# Altium PCB PCB_Template.PcbDoc (part 5 of 6) (continued)
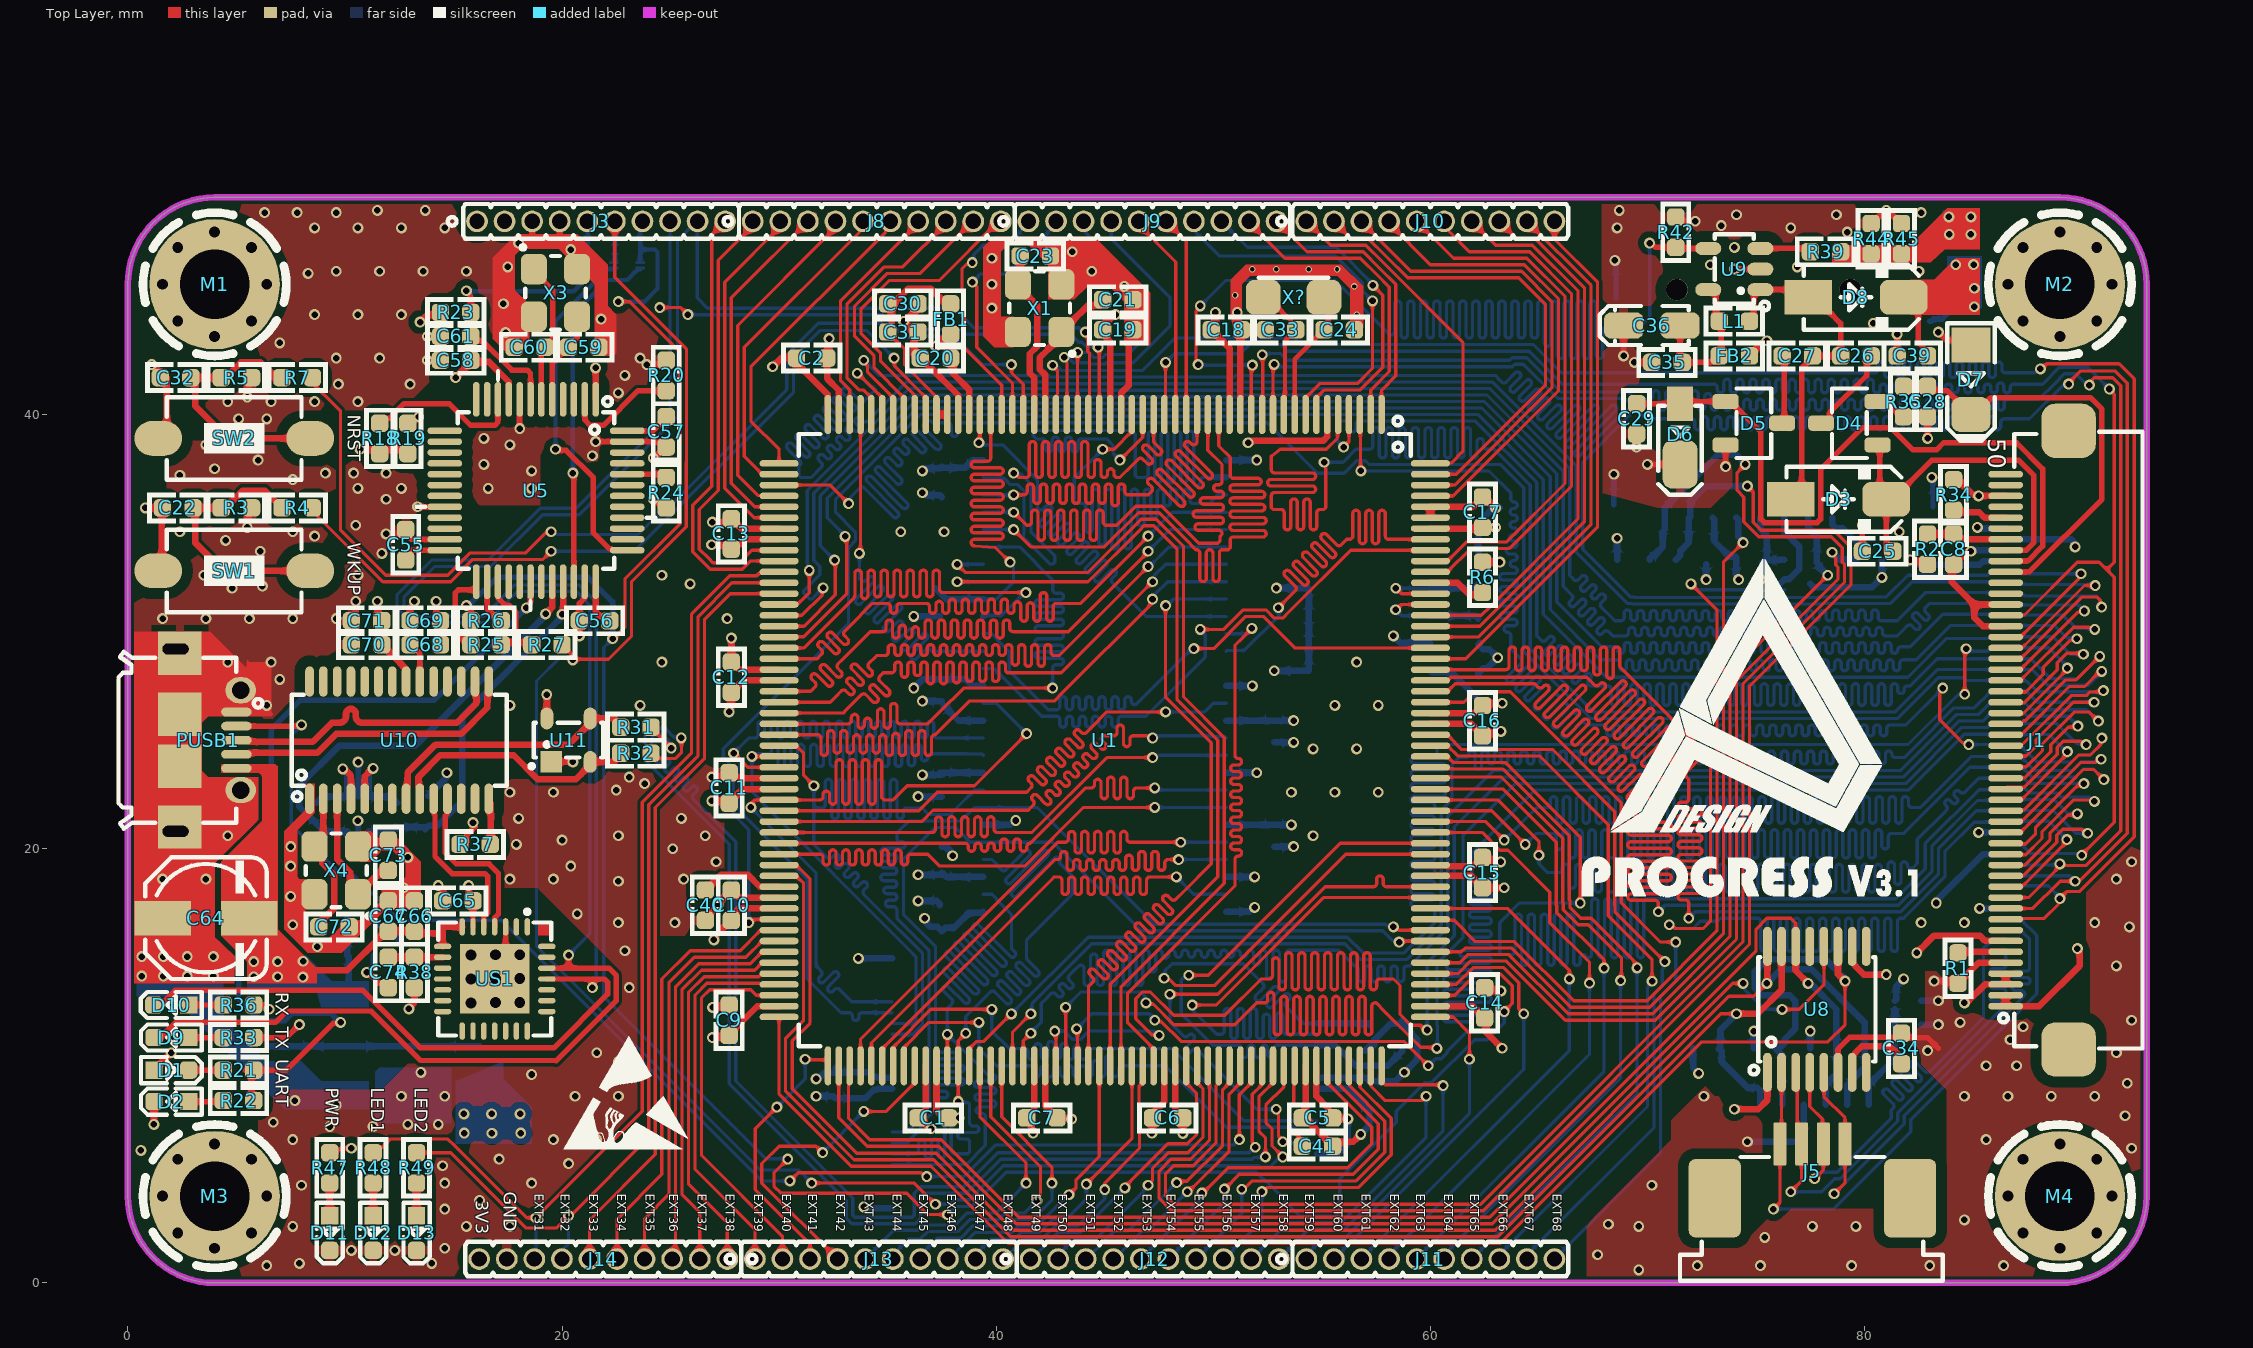
[diagram p0: Top Layer view]
## Nets (pads, with @x,y where several pads share a name; then routed paths per layer and width w, separated by ;. In a path a pad name is that pad's centre, name@x,y a point inside that pad or via, vN(x,y) a via of type N, cw(c..) or ccw(c..) an arc to the next point about the centre after c; other vN are vias at no path point) (continued)
  other v2: 16.768,6.895 15.5,6.9 18.1,6.9 15.481,7.787 16.753,7.787 18.07,7.787
VCC5V: C4.1 C63.1 C64.2 C66.1 C67.1 C68.1 C69.1 FB2.1 J3.2 PUSB1.1 U6.5 U7.3 U10.20 U11.4 US1.7 US1.8 | length 19.3
  Top Layer w0.25: v1(13.2,31.4) 13.2,31.338 13,31.138 C69.1@13,30.5 13,29.459 13.275,29.184 13.275,29.177 13.453,29 U10.20@13.453,27.7
  Top Layer w0.3: v2(8.076,14.814) 8.489,14.4 10.1,14.4 11.681,15.981 11.854,15.981 12.026,16.153 12.026,16.2 C66.1@13.2,16.2 13.3,16.1 14.5,16.1 ; US1.8@14.5,15.5 14.5,16.1 ; US1.7@15.4,16.4 14.5,16.4 14.5,16.1 ; U11.4@19.3,26 v1(19.3,27.1) ; FB2.1@74.7,42.7 75.362,43.362 75.462,43.362 v1(75.5,43.4)
  Bottom Layer w0.25: v1(10.595,21.291) 10.608,21.278 U6.5@10.608,20.8
  Bottom Layer w0.3: C4.1@10.1,16.765 C63.1@10.1,15.1 10.166,15.034 U7.3@10.166,13.574
  Bottom Layer w0.5: J3.2@17.355,48.697 J3.2@17.355,48.9
  other v2: 5.8,14.1 6.9,14.1 8.063,14.089 5.8,14.8 6.9,14.8
VIO: C65.1 R33.2 R36.2 R38.2 US1.6 | length 6.8
  Top Layer w0.25: R33.2@5.6,11.3 7.3,11.3 v1(7.9,11.9) ; R36.2@5.6,12.8 6.24,12.8 ; 6.236,12.804 6.24,12.8 ; v1(6.504,12.604) 6.436,12.604 6.24,12.8 ; v1(12.948,12.62) 12.948,12.63 13.2,12.882 R38.2@13.2,13.8 ; v1(15.7,18.3) 15.7,17.614 15.7,17.6 15.7,17.586 15.9,17.386 US1.6@15.9,16.4
VLED+: C39.1 D8.2 J1.1 J1.2 J2.2 | length 12.3
  Top Layer w0.25: D8.2@81.8,45.7 81.821,45.7 82.475,45.046 82.475,44.823 82.475,43.325 82.671,43.129 82.671,42.784 C39.1@82.7,42.755
  Top Layer w0.3: J1.2@86.5,13.25 J1.1@86.5,12.75 88.05,12.75 89.9,14.6 89.9,15.246 89.8,15.346 v1(89.8,15.4)
  Bottom Layer w0.3: J2.2@86.5,34.25 89.524,34.25 89.7,34.074 v1(89.7,33.9)
  other v2: 85.051,44.964 85.055,45.815 84.2,46.9 85.025,46.904
VLED-: J1.3 J1.4 J2.1 R39.1 R44.1 R45.1 | length 4.1
  Top Layer w0.3: v1(84.6,12.9) 84.7,12.9 85.55,13.75 J1.3@86.5,13.75 J1.4@86.5,14.25
  Bottom Layer w0.3: v1(85.2,34.8) 85.25,34.75 J2.1@86.5,34.75
  other v2: 83.9,48.3 84.9,48.3 83.881,49.106 84.9,49.1
WKUP: R4.2 U1.43 | length 37.8
  Top Layer w0.15: R4.2@8.5,35.7 8.748,35.452 8.748,35.302 11.75,32.3 14.87,32.3 15.895,33.325 19.125,33.325 v1(19.5,33.7) ; v1(35.3,42.6) 35.311,42.589 35.311,42.239 36.675,40.875 36.675,40.866 36.75,40.791 U1.43@36.75,40
  Bottom Layer w0.15: v1(19.5,33.7) 23.328,33.7 30.664,41.036 30.664,42.636 31.903,43.875 34.025,43.875 v1(35.3,42.6)
pads on no net: J1. J1.8 J1.39 J1.40 J1.45 J1.47 J1.49 J1.50 J2. J2.35 J4. J5. J6. J6.9 M1.1 M2.1 M3.1 M4.1 U2.40 U3.1 U3.2 U3.3 U3.4 U3.5 U3.6 U3.10 U3.11 U3.14 U3.15 U3.20 U3.21 U3.22 U3.23 U3.24 U3.26 U3.27 U3.28 U3.33 U3.34 U3.35 U3.38 U3.39 U3.40 U3.45 U3.46 U3.47 U5.3 U5.4 U5.11 U5.12 U5.13 U5.14 U5.15 U5.16 U5.17 U5.18 U5.19 U5.21 U5.22 U5.28 U5.29 U5.31 U5.38 U5.39 U5.40 U5.41 U5.42 U5.43 U5.45 U5.46 U8.8 U8.9 U8.13 U10.6 U10.7 U10.12 U10.13 U10.17 U10.18 U10.19 U10.22 U10.23 U10.24 U10.25 U10.26 U10.27 U10.28 US1.1 US1.2 US1.10 US1.11 US1.12 US1.13 US1.14 US1.15 US1.16 US1.17 US1.18 US1.19 US1.20 US1.21 US1.22 US1.23 US1.24 US1.27 US1.28
copper on no net:
  other v3: 4,1.6 89,1.6 2.303,2.303 5.697,2.303 87.303,2.303 90.697,2.303 1.6,4 6.4,4 86.6,4 91.4,4 2.303,5.697 5.697,5.697 87.303,5.697 90.697,5.697 4,6.4 89,6.4 4,43.6 89,43.6 2.303,44.303 5.697,44.303 87.303,44.303 90.697,44.303 1.6,46 6.4,46 86.6,46 91.4,46 2.303,47.697 5.697,47.697 87.303,47.697 90.697,47.697 4,48.4 89,48.4

## Polygon pours and split planes (outlines as drawn)
GND on Bottom Layer "NONET_L-01_P-001" (solid, remove dead copper, pour order 1): 93,50.1 0.2,50.1 0.1,50.2 -0.1,50 -0.1,-0.4 93.2,-0.4 93.3,-0.3
GND on Top Layer "NONET_L-01_P-001" (solid, remove dead copper, pour order 0): 0.1,50 0.2,50.1 93.1,50.1 93.1,0 93.2,-0.1 92.9,-0.4 -0.4,-0.4
VCC3V3 on Int2 (PWR) (split plane): 232 vertices, not listed, extent 0.509,0.509 92.491,49.491
VIO on Int2 (PWR) (split plane): 15.449,20.7 15.454,20.661 15.469,20.624 15.493,20.593 16.249,19.837 16.249,15.163 12.137,11.051 6.063,11.051 5.451,11.663 5.451,12.7 5.451,12.949 9.6,12.949 9.639,12.954 9.676,12.969 9.707,12.993 9.731,13.024 9.746,13.061 9.751,13.1 9.751,14.5 9.751,19.337 11.963,21.549 15.449,21.549
VLED- on Int2 (PWR) (split plane): 87.749,47.963 87.437,47.651 83.7,47.651 83.661,47.646 83.624,47.631 83.593,47.607 83.569,47.576 83.554,47.539 83.549,47.5 83.549,42 83.554,41.961 83.569,41.924 83.593,41.893 87.249,38.237 87.249,13.063 86.037,11.851 84.563,11.851 83.851,12.563 83.851,16.537 84.307,16.993 84.331,17.024 84.346,17.061 84.351,17.1 84.351,34.8 84.346,34.839 84.331,34.876 84.307,34.907 81.651,37.563 81.651,49.49 87.749,49.49
VCC5V on Int2 (PWR) (split plane): 76.149,42.063 75.737,41.651 72.263,41.651 69.307,44.607 69.276,44.631 69.239,44.646 69.2,44.651 54.563,44.651 53.607,45.607 53.576,45.631 53.539,45.646 53.5,45.651 45,45.651 44.961,45.646 44.924,45.631 44.893,45.607 43.337,44.051 22.263,44.051 20.907,45.407 20.876,45.431 20.839,45.446 20.8,45.451 14,45.451 13.961,45.446 13.939,45.437 13.924,45.431 13.893,45.407 10.093,41.607 10.069,41.576 10.054,41.539 10.049,41.5 10.049,30.4 10.054,30.361 10.069,30.324 10.093,30.293 10.124,30.269 10.161,30.254 10.2,30.249 12.8,30.249 12.839,30.254 12.876,30.269 12.907,30.293 12.931,30.324 12.946,30.361 12.951,30.4 12.951,31.737 13.463,32.249 15.437,32.249 17.393,30.293 19.849,27.837 19.849,26.251 15.8,26.251 15.761,26.246 15.739,26.237 15.724,26.231 15.693,26.207 13.593,24.107 13.569,24.076 13.554,24.039 13.549,24 13.549,21.851 11.9,21.851 11.861,21.846 11.824,21.831 11.793,21.807 9.493,19.507 9.469,19.476 9.454,19.439 9.449,19.4 9.449,14.5 9.449,13.251 5.451,13.251 5.451,41.737 11.163,47.449 15.9,47.449 15.939,47.454 15.976,47.469 16.007,47.493 16.807,48.293 16.831,48.324 16.846,48.361 16.851,48.4 16.851,49.49 18.6,49.49 18.6,48.3 66.4,48.3 66.4,49.49 76.149,49.49
VLED+ on Int2 (PWR) (split plane): 89.249,49.483 89.497,49.456 89.742,49.412 89.984,49.35 90.22,49.272 90.45,49.176 90.673,49.065 90.888,48.937 91.092,48.795 91.287,48.639 91.469,48.469 91.639,48.287 91.795,48.092 91.937,47.888 92.065,47.673 92.176,47.45 92.272,47.22 92.35,46.984 92.412,46.742 92.456,46.497 92.483,46.249 92.491,46.016 92.49,46 92.49,13.151 87.551,13.151 87.551,38.3 87.546,38.339 87.537,38.361 87.531,38.376 87.507,38.407 83.851,42.063 83.851,47.349 87.5,47.349 87.539,47.354 87.576,47.369 87.607,47.393 88.007,47.793 88.031,47.824 88.046,47.861 88.051,47.9 88.051,49.49 89,49.49 89.016,49.491
GND on Int1 (GND) (split plane): 89.249,49.483 89.497,49.456 89.742,49.412 89.984,49.35 90.22,49.272 90.45,49.176 90.673,49.065 90.888,48.937 91.092,48.795 91.287,48.639 91.469,48.469 91.639,48.287 91.795,48.092 91.937,47.888 92.065,47.673 92.176,47.45 92.272,47.22 92.35,46.984 92.412,46.742 92.456,46.497 92.483,46.249 92.491,46.016 92.49,46 92.49,4 92.491,3.984 92.483,3.751 92.456,3.503 92.412,3.258 92.35,3.016 92.272,2.78 92.176,2.55 92.065,2.327 91.937,2.112 91.795,1.908 91.639,1.713 91.469,1.531 91.287,1.361 91.092,1.205 90.888,1.063 90.673,0.935 90.45,0.824 90.22,0.728 89.984,0.65 89.742,0.588 89.497,0.544 89.249,0.517 89.016,0.509 89,0.51 66.4,0.51 66.4,1.8 18.7,1.8 18.8,1.7 18.8,0.51 4,0.51 3.984,0.509 3.751,0.517 3.503,0.544 3.258,0.588 3.016,0.65 2.78,0.728 2.55,0.824 2.327,0.935 2.112,1.063 1.908,1.205 1.713,1.361 1.531,1.531 1.361,1.713 1.205,1.908 1.063,2.112 0.935,2.327 0.824,2.55 0.728,2.78 0.65,3.016 0.588,3.258 0.544,3.503 0.517,3.751 0.509,3.984 0.51,4 0.51,46 0.509,46.016 0.517,46.249 0.544,46.497 0.588,46.742 0.65,46.984 0.728,47.22 0.824,47.45 0.935,47.673 1.063,47.888 1.205,48.092 1.361,48.287 1.531,48.469 1.713,48.639 1.908,48.795 2.112,48.937 2.327,49.065 2.55,49.176 2.78,49.272 3.016,49.35 3.258,49.412 3.503,49.456 3.751,49.483 3.984,49.491 4,49.49 16.085,49.49 16.085,48.9 17.355,48.9 17.4,48.945 17.4,49.49 21.2,49.49 21.2,48.935 21.165,48.9 21.765,48.3 66.4,48.3 66.4,49.49 89,49.49 89.016,49.491

## Keep-outs
Keep-Out Layer:
  the board outline again, w0.3

## Other copper
Top Layer:
  region net GND: 18.2,43.1 18.5,43.4 18.5,45.1 18.46,45.1 17.834,45.726 17.834,47.346 18.129,47.641 19.859,47.641 21.5,46 21.5,43.5 21.5,42.7 22.366,42.7 22.5,42.834 22.5,44.6 22.1,45 22.1,46.9 20.7,48.3 17.887,48.3 16.813,47.226 16.813,43.487 17.6,42.7
  region net GND: 51.3,44.58 51.3,46 51.7,46.4 55.7,46.4 56.3,45.8 56.3,44.2 56.5,44 56.9,44 56.9,45.9 55.9,46.9 51.5,46.9 50.8,46.2 50.8,44.58 50.9,44.1
  pour cut-out: 65.6,44.3 65.6,39 67.4,37.2 67.4,35.3 63.6,31.5 62.85,32.25 60,32.25 60,32.325 58.075,34.25 57.364,33.539 54.874,33.539 54.874,35.25 54.164,35.96 55.25,37.045 55.25,42.55 55,42.8
  pour cut-out: 67.942,49.863 67.9,49.821 67.9,46.129 65.6,48.429 65.6,49.9
  pour cut-out: 59.5,30.9 59.2,30.6 59.2,18.6 55.2,18.6 51.3,14.7 48.2,17.8 48.2,29.7 48.9,30.4
  pour cut-out: 51.229,18.642 51.229,17.2 50.4,17.2 50.3,17.3
  region net GND: 5.9,26.1 5.9,27.9 3.8,30 0.3,30 0.3,29.8 0.3,15.2 4,15.2 4,19.329 6,21.329 6,23.3 3.7,23.3 3.4,23.6 3.4,25.8 3.7,26.1
  region net GND: 5.2,26.1 6.6,26.1 6.7,26.2 6.6,26.3 6.6,28.6 5.6,28.6 5.5,28.7
  pour cut-out: 7.691,27.017 6.6,25.927 6.6,25.8 8.5,25.8 9,26.3
  region net GND: 40.8,43.1 39.9,43.1 39.4,43.6 39.4,47.7 39.9,48.2 44.511,48.2 47.1,45.611 47.1,43.19 45.908,43.19 45.908,45.206 45.22,45.894 44.194,45.894 43.6,45.3 42.4,45.3 42.4,46.896 41.434,47.862 40.562,47.862 40.2,47.5 40.2,44.5 40.8,44.5
  pour cut-out: 49.5,50.5 49.5,41.7 48.1,40.3 41,40.3 38.4,42.9 38.945,43.445 38.945,48.9
  pour cut-out: 90.2,16.7 90.2,18.4 88.8,18.4 88.6,18.2 88.603,18.197 88.603,17.119
  pour cut-out: 83.734,14.367 82.467,14.367 82.4,14.3 82.4,15.2 84.216,15.2
  pour cut-out: 13.044,6.629 12.974,6.7 8.4,6.7 8.4,1.891 8.59,1.7
  region net VLED+: 82.1,44.6 85.3,44.6 85.3,46.2 82.1,46.2
  region net GND: 7.8,20.8 7.8,18.7 7.9,18.6 8.184,18.6 8.184,16 8.373,15.771 9.173,15.773 9.8,16.4 9.8,16.7 10.773,16.7 11.7,17.627 11.7,18.1 12.2,18.1 12.8,18.7 12.8,19.3 12.2,19.9 12,19.9 12,20.5 12.4,20.5 13.5,19.4 13.5,17.456 13.244,17.2 11.848,17.2 9.848,15.2 8.282,15.2 7.2,16.282 7.2,20.8
  pour cut-out: 85.9,45.5 86.2,45.2 86.2,41.7 80.7,41.7 80.4,41.4 78.4,43.4 77.2,43.4 77.2,45.21 77.69,45.7
  pour cut-out: 85.6,37.7 85.6,35.8 84,35.8 83,34.8 82.7,35.1 82.3,35.1 82.3,37.5 82.8,38
  pour cut-out: 5.5,13.8 5.4,13.9 0.1,13.9 0.1,12.6 0,12.5 6.7,12.5
  pour cut-out: 15.4,10.1 12.9,10.1 11.7,8.9 6,8.9 6,6.5 5.4,7.1 3.9,7.1 3.9,9.8 7.2,13.1 12.6,13.1
  pour cut-out: 27,16 23.9,16 23.9,14 24.1,13.8
  pour cut-out: 27.48,21.617 27.48,18.62 27.85,18.25 29.193,18.25 29.193,20.943 30,21.75
  pour cut-out: 19.001,38.111 19,38.109 19,35.8 20.4,35.8 20.55,35.65 20.55,37.182
  pour cut-out: 22.3,45.6 22.3,46.058 20.204,48.155 20.6,48.551 20.6,48.6 23,48.6 24,47.6
  pour cut-out: 11,17.3 12.1,16.2 12.1,15.3 10.5,13.7 8.2,13.7 6.6,15.3 8.4,17.1 8.8,17.1
  pour cut-out: 7.902,21.605 7.105,21.605 6.8,21.3 6.8,24.5 9.4,24.5 9.5,24.6
  pour cut-out: 9.8,40.15 9.856,40.206 12.606,40.206 14.426,42.026 14.851,41.6 16,41.6 16,39.4 15.2,38.6 9.9,38.6
  pour cut-out: 15.4,35.8 15.425,35.825 21.446,35.825 21.446,34.846 18.9,32.3 15.9,32.3 15,33.2
  pour cut-out: 4.6,38.9 4.5,38.8 1.8,38.8 1.8,36.2 2,36 1.3,35.3 -0.4,35.3 -0.4,37.5 -0.8,37.9 1.3,40 1.3,40.4 2.9,40.4 3.1,40.6
  pour cut-out: 17,18.2 18.85,18.2 22.698,14.352 22.146,13.8 19.325,13.8 16.425,16.7
  pour cut-out: 12.674,20.326 12.974,20.326 15.2,18.1 15.8,18.7 15.8,19.4 15.6,19.4 13.3,21.7 13.2,21.6 11.6,21.6
  pour cut-out: 14.4,25.5 13.385,24.485 13.385,23.097 10.703,23.097 9.17,24.63 9.17,25.37 9.6,25.8
  pour cut-out: 18.876,23.2 16,23.2 15.9,23.1 15.2,23.8 15.2,24.1 17.4,24.1 17.9,24.6
  pour cut-out: 27.8,24 27.7,23.9 26.3,23.9 26.3,24.6 26.5,24.8 27.4,24.8
  pour cut-out: 28.2,34.5 27.6,33.9 27.6,25.4 20.9,25.4 20.2,24.7 14.8,24.7 14.2,25.3 16.1,27.2 16.1,29.7 19.5,29.7 24.5,34.7
  pour cut-out: 53.6,46.9 53.326,46.626 53.326,43.326 49.574,43.326 48.7,44.2 48.7,47.6
  pour cut-out: 44.157,47.9 46.728,46.983 47,47.255 47,48.4 44.525,48.4 44.025,48.9
  pour cut-out: 40.307,39.9 41.682,38.525 41.682,29.45 35.157,29.45 32.682,31.925 32.682,38.425 29.207,41.9 30.407,43.1 30.407,47 35.1,47 39.707,42.393 39.707,36.7
  pour cut-out: 29.6,32.1 29.6,27.7 29.4,27.5 29.351,27.549 25.9,27.549 25.9,30.1 28.1,32.3
  pour cut-out: 27.8,24 27.451,24.349 25.9,24.349 25.9,26.1 26.5,26.7 29.7,26.7
  pour cut-out: 44.6,22.4 46,21 46,4 42,4 38.2,0.2 37.1,1.3 27.2,1.3 27.2,15.1 32,19.9
  pour cut-out: 50.5,18.1 52.6,16 53.1,16 53.1,15.1 51.5,13.5 47.5,13.5 47.5,15.1 47.4,15.2
  pour cut-out: 55.687,20.412 56.562,20.412 58.65,22.5 59.1,22.05 59.1,19.8 57.7,19.8 56.4,18.5
  pour cut-out: 53.75,29.02 50.5,27.6 50.5,29.6 51.9,29.6 53.1,30.8
  pour cut-out: 52.8,30.2 53.9,29.1 59,29.1 59,34.4 59.4,34.8 59.3,34.9 55.2,34.9
  pour cut-out: 67.5,36.5 71.2,35.5 71.2,35.2 70.3,34.3 69.5,35.1 65.7,35.1
  pour cut-out: 74.125,36.914 72.3,35.089 72.3,34.9 75.2,34.9 75.5,35.2
  pour cut-out: 70.3,13.1 70.3,10.7 70.9,10.1 64.6,3.8 55.5,3.8 60.3,8.6 60.3,12.8
  pour cut-out: 67.2,2.6 67.2,2.7 71.1,6.6 71.1,7.6
  pour cut-out: 67.2,0.2 67.2,1.029 67.2,3.6 72.8,9.2 71.9,10.1 71.2,10.1 63.5,2.4 63.5,1.6
  pour cut-out: 73.539,8.6 73.1,8.6 71.6,10.1 73,11.5 75.8,11.5 76.7,10.6 76.175,10.075 76.175,8.088
  pour cut-out: 82.506,10.15 83.779,8.877 83.779,5.179 82.006,3.406 76.606,3.406 76.1,2.9 75.488,2.9 74.779,2.191 73.9,3.07 73.9,3.8 79.425,9.325 79.425,9.7
  pour cut-out: 75.7,6 73.8,6 73.9,5.9 73.9,4 74.9,3 75.201,3.301 76.55,3.301 76.55,4.45 77.4,5.3
  pour cut-out: 89.4,17.5 90.2,16.7 90.2,15.6 90.4,15.4 90.4,12.1 90.2,12.3 88.1,12.3 87,13.4 87.2,13.6 87.2,16.6
  pour cut-out: 84.2,14.8 82.7,14.8 82.6,14.7 82.6,16.6 85.2,16.6 85.4,16.4
  pour cut-out: 82.8,14.9 82.8,12 82.7,11.9 81.7,11.9 81.7,11.4 80.537,10.238 78.775,10.238 78.775,11.325 77.9,12.2 78.938,13.238 78.938,14.063
  pour cut-out: 86.3,34.4 86.3,16 86.8,15.5 82.7,15.5 82.7,15.4 81.5,14.2 80.1,15.6 73,15.6 73,30.9 77.4,35.3 78.7,35.3
  pour cut-out: 75,36 74.7,35.7 63.2,35.7 63.2,28.45 67.65,24 74,24
  pour cut-out: 66.8,20.8 66.8,14.339 67.178,13.961 62.439,13.961 59,17.4
  pour cut-out: 54.464,34.839 54.662,34.642 54.662,33.327 54.227,33.327 50.7,29.8 47.4,29.8 47.4,31.5 46.8,32.1 48.5,33.8 48.5,35.3
  pour cut-out: 88.4,43.7 88,43.3 88,40.5 86.084,40.5 85.6,40.984 85.6,44.1
  region net VLED-: 78.5,47 83.055,47.006 83.685,47.606 85.3,47.606 85.3,49.5 83.8,49.5 82.1,47.8 78.5,47.8
  region net VLED+: 85.3,46.2 85.3,47.2 84.2,47.2 83.2,46.2
  region net GND: 7.8,20.8 7.8,20.861 8.6,21.661 8.6,23 8.18,23 8.171,22.991 8.171,21.771 7.2,20.8
  region net GND: 10.7,19.4 11.2,19.4 11.7,19.9 12,19.9 12,20.5 11.5,20.5 11.2,20.8 10.7,20.8
  region net VCC5V: 4.3,23.5 6,23.5 6.136,23.401 6.2,23.3 6.2,21.3 4.3,19.4 4.3,16 5.5,14.8 5.5,13.8 8.7,13.8 8.7,14.501 6.9,16.301 6.9,23.8 6.8,23.9 4.3,23.9
  region net GND: 0.3,16 0.3,13.8 4.903,13.8 4.915,15.057 3.4,16.5 2.9,16
Bottom Layer:
  pour cut-out: 59.5,30.2 52.8,30.2 48.9,34.1 48.9,38.5 50.9,40.5 52.7,38.7 60.65,38.7 60.65,34.45 61,34.1
  pour cut-out: 66.7,47.6 66.7,47.2 68.35,45.55 67.5,44.7 67.5,42.2 50.4,42.2 46.637,45.963 46.637,48.445
  pour cut-out: 90.138,15.84 90.138,18.238 92,20.1 91.389,20.711 90.002,20.711 90.002,20.502 87.3,17.8 87.6,17.5 87.6,14.515 89.315,14.515 89.5,14.7
  pour cut-out: 67.67,46.75 67.9,46.98 67.9,49.8 66.3,49.8 66,49.5 66.3,49.2 66.3,46.3
  pour cut-out: 4.841,12.993 4.841,11.653 5.594,10.9 6.494,11.8 6.7,11.8
  region net GND: 11.4,8.8 10.6,8.8 10.87,8.53 11.493,8.536
  region net GND: 11.4,7.344 11.4,9.726 11.574,9.9 14.9,9.9 14.9,7.344
  pour cut-out: 82.1,16.7 82.1,16.9 82,16.8 81.669,16.8
  pour cut-out: 81.9,16.9 82.1,16.7 82.1,15.4 81.236,15.4 80.9,15.736 80.9,16.9
  pour cut-out: 21.3,18.1 13.7,18.1 12.8,17.2 11.3,18.7 11.3,20.3 9.5,20.3 9.2,20.6 8.8,20.2 8.8,19.8 12.3,16.3 17.7,16.3 20.1,13.9 20.4,14.2 22.1,14.2
  region net VLED+: 83.8,46.6 84.8,46.6 84.8,44.9 85.4,44.9 85.4,47.3 83.8,47.3
  pour cut-out: 74.8,7 73.4,5.6 73,5.6 73,7.7 72.7,8 74,8
  pour cut-out: 83,14.739 83,12.696 82.713,12.409 82.621,12.5 81.2,12.5 81.2,14.1 80.8,14.5
  pour cut-out: 12.092,20.8 12.092,17.292 12,17.2 11.8,17.4 11.2,17.4 11.2,17.3 10,16.1 10,14.3 7.7,14.3 6.6,15.4 6.6,21
  pour cut-out: 13.5,17.6 12,17.6 12.2,17.4 12.2,16.9 13.7,16.9
  pour cut-out: 23.2,7.2 19.699,3.699 19.089,3.699 19.089,2.911 19.5,2.5 19.7,2.7 24.1,2.7
  pour cut-out: 51.7,11.795 51.7,5.6 51.8,5.5 50.7,4.4 39.183,4.4 36.225,7.358 39,10.133 39,12.2
  pour cut-out: 85.4,17.7 85.238,17.538 83.338,17.538 83.338,18.438 84,19.1 85.6,19.1
  pour cut-out: 37.4,45.7 37.4,43.8 39,42.2 50.4,42.2 50.4,47 50.5,47.1 49.157,48.443 41.485,48.443
  pour cut-out: 58.729,27.171 58.7,27.141 58.7,22.7 57.9,21.9 58.575,21.225 62.383,21.225 65.358,24.2 65.135,24.423 65.135,26.962
  pour cut-out: 53.272,28.656 51.456,28.656 51.528,28.728 51.528,29.9 52.9,29.9 53.1,30.1 53.133,30.067 53.133,29.665
  pour cut-out: 53.133,29.665 53.068,29.6 51.7,29.6 51.7,30.1 52,30.4 53.6,30.4
  pour cut-out: 58.729,27.624 58.729,27.171 59.5,26.4 63,26.4 63,27.8 63.1,27.9
  pour cut-out: 84.1,7.6 84.1,9.1 84,9.2 83.1,8.3 81.8,8.3 81.8,7.7 82.6,6.9
  pour cut-out: 83.2,4 78.7,4 78.595,4.105 81.225,6.734 81.225,7.583
  pour cut-out: 78,7 78,6.661 75.2,3.861 75.6,3.46 75.6,3.4 77.7,3.4 80.4,6.1 80.4,6.5
  pour cut-out: 23.3,38.1 20.6,38.1 20.4,37.9 21.4,36.9 21.4,35.8 22.3,35.8 23.1,36.6
  pour cut-out: 17.6,45.6 18.95,44.25 18.95,38.499 19.499,38.499 20.543,39.543 20.543,45.675
  pour cut-out: 4.7,42.8 1.2,39.3 1.2,31.8 0.9,31.5 -1.8,31.5 -1.8,45.8 -1.3,46.3
  pour cut-out: 20.2,37 19.976,37 18.826,35.85 18.776,35.9 16.6,35.9 16.1,35.4 14,33.3 14.9,32.4 18.9,32.4 22,35.5
  pour cut-out: 11.6,30.939 11.6,30.896 6.402,25.698 7.4,24.7 14.6,24.7 17.9,28 17.9,30.7
  pour cut-out: 9.8,14.9 8.2,14.9 6.798,16.302 6.248,15.752 5.852,15.752 5.852,14.852 5.8,14.8 6.6,14 9.6,14
  pour cut-out: 8.5,20.7 8.4,20.6 6.6,20.6 6.6,25.5 6.641,25.541 7.841,25.541
  pour cut-out: 28.7,34.3 23.1,34.3 25.4,36.6 28.8,36.6 30.1,35.3
  pour cut-out: 29.5,27.9 25.6,27.9 24.267,26.567 24.267,25.248 25.752,25.248 26.4,24.6 28.1,26.3 29.3,26.3
  pour cut-out: 16.5,26.4 16.5,25.14 16.1,24.74 16.1,23.9 14.8,23.9 14.4,24.3 15,24.9 15,27.1
  pour cut-out: 17.9,27.8 16.5,26.4 16.5,22.5 16.1,22.1 14.9,22.1
  pour cut-out: 21.2,25 20.6,25 18.9,23.3 18.9,25.9 20.5,25.9 20.7,26.1
  pour cut-out: 34.6,44.6 34.6,28.8 31.8,26 28.7,26 28.6,26.1 29.1,26.6 29.1,33.1 26.2,36 22.609,32.409 22.609,31.372 21.472,31.372 20.9,30.8 18.8,32.9 18.8,33.5 25.2,39.9 25.2,44.9
  pour cut-out: 27.5,26.5 26.318,25.318 24.746,25.318 24.746,23.354 26.2,21.9 28.7,21.9 28.7,23.425 30.525,25.25
  pour cut-out: 21.3,25.4 18.8,25.4 18.9,25.5 18.9,27.5 17.6,27.5 17,28.1 18.9,30 18.9,30.3 20.654,30.3 21.575,29.379
  pour cut-out: 36.3,11.2 36.847,10.653 36.847,2.367 23.733,2.367 23.2,2.9 23.2,11.5 20.4,14.3 21.6,15.5 21.6,16.1 29.3,16.1 35.1,10.3 36.6,10.3
  pour cut-out: 35.275,18.825 35.275,16.325 37,14.6 36.1,13.7 36.1,12.4 33.3,12.4 32.1,11.2 30.1,13.2 30.1,18.9 30.8,19.6
  pour cut-out: 38.6,29.6 37.075,28.075 37.075,24.075 31.625,24.075 29.4,26.3 29.3,26.3 29.3,26.4 33.6,30.7 33.6,30.9
  pour cut-out: 39.4,37.1 38.8,36.5 38.8,30.4 35,30.4 32.8,32.6 32.8,36.6 33.736,36.6 35.112,37.976
  pour cut-out: 45.4,44 45.9,43.5 47.1,43.5 47.1,43 46.423,42.323 44.694,42.323 44.694,43.094 45,43.4
  pour cut-out: 39.1,46.4 39.1,43.4 35.6,43.4 34.2,44.8 26,44.8 26,47.4 25.8,47.6
  pour cut-out: 79.8,45.7 79.8,43.188 80.488,42.5 78.5,42.5 78.5,43.3 77,44.8
  pour cut-out: 78.8,46.1 78.7,46.2 72.5,46.2 72.5,45 73.1,44.4 78.6,44.4
  pour cut-out: 74.5,45.2 73.788,45.2 70.389,48.599 69.3,47.509 69.3,44.36 69.63,44.03
  pour cut-out: 80.775,42.657 78.132,45.3 71.5,45.3 71.3,45.1 70.2,45.1 68.6,43.5 65.2,43.5 65.2,40.764 65.414,40.55 80.436,40.55
  pour cut-out: 84.6,44 84.6,42.35 84.525,42.275 85.4,41.4 87.031,41.4 87.031,43.131 87.3,43.4 86.6,44.1 86.6,44.8 85.5,44.8 85.4,44.9
  pour cut-out: 88.976,40.05 87.676,38.75 87.676,30.35 69.101,30.35 63.726,35.725 65.871,37.87 65.871,40.144
  pour cut-out: 51.7,38.5 54.1,38.5 54.8,37.8 54.8,40 51.6,40 51.4,39.8
  pour cut-out: 59.4,37.7 59.7,37.4 59.7,31.8 63.825,31.8 63.85,31.775 64.9,32.825 64.9,38
  pour cut-out: 59.654,22.125 58.125,22.125 52.8,16.8 54.2,15.4 60.825,15.4 61.95,16.525
  pour cut-out: 63.6,26.4 63.6,24.092 63.558,24.05 66.258,24.05 66.258,26.258 66.5,26.5 65.505,27.495 65.244,27.495
  pour cut-out: 76.014,17.7 71.275,17.7 66.725,22.25 63.401,18.926 60.8,18.926 60.8,17.178 70.4,7.578 70.4,6.5 72.8,6.5 77.019,10.719 77.019,15.425
  pour cut-out: 67.875,15.127 67.875,8.475 61,1.6 56,1.6 54.9,2.7 61.1,8.9 61.1,15.2
  pour cut-out: 87.1,40.1 87.9,39.3 87.9,20.1 95.6,20.1 95.6,45.8 94.3,47.1
  region net VLED-: 83.6,47.9 85.3,47.9 85.3,49.4 83.6,49.4
  region net VCC3V3: 15.1,9.3 15.1,6.4 18.6,6.4 18.6,8.1 17.3,9.4 17.3,10.2
  region net GND: 4.4,14.9 0.4,14.9 0.4,13.2 2,13.2 7.2,8 11.1,8 11.1,9.3 8.9,9.3 8,10.2 6.4,10.2 4.4,12.2
  region net VCC5V: 11.1,12.7 8.9,12.705 8.728,13.376 5.5,13.376 5.5,15.1 8.2,15.1 9.4,13.9 11.1,13.9
Int1 (GND) (plane layer: these items are gaps in the copper):
  region: 66.4,0.4 66.4,1.8 18.7,1.8 18.8,1.7 18.8,0.4
  region: 17.4,49.8 17.4,48.945 17.355,48.9 16.085,48.9 16.085,49.885 16.1,49.9
  region: 66.4,49.9 66.4,48.3 21.765,48.3 21.165,48.9 21.2,48.935 21.2,50
Int2 (PWR) (plane layer: these items are gaps in the copper):
  region: 66.5,0.4 66.5,1.7 17.5,1.7 17.5,0.4
  region: 66.4,49.9 66.4,48.3 18.6,48.3 18.6,50.006
  lines w0.3: 5.3,13 5.3,12.7 5.3,11.6 6,10.9 12.2,10.9 16.4,15.1 16.4,19.9 15.6,20.7 15.6,21.7 11.9,21.7 9.6,19.4 9.6,14.5 9.6,13.1 5.3,13.1 5.3,41.8 11.1,47.6 15.9,47.6 16.7,48.4 16.7,49.8 16.9,50 ; 13.7,21.75 13.7,24 15.8,26.1 20,26.1 20,27.9 17.5,30.4 ; 76.3,50.2 76.3,42 75.8,41.5 72.2,41.5 69.2,44.5 54.5,44.5 53.5,45.5 48.55,45.5 45,45.5 43.4,43.9 22.2,43.9 20.8,45.3 16.8,45.3 14,45.3 10.2,41.5 10.2,30.4 12.8,30.4 12.8,31.8 13.4,32.4 15.5,32.4 17.5,30.4 ; 82,50 81.5,50 81.5,37.5 84.2,34.8 84.2,17.1 83.7,16.6 83.7,12.5 84.5,11.7 86.1,11.7 87.4,13 ; 87.9,49.7 87.9,47.9 87.5,47.5 83.7,47.5 83.7,42 87.4,38.3 87.4,13 ; 92.7,13 87.4,13 ; 17.5,30.4 17.5,30.4

## Silkscreen, mask and mechanical layers (free items; w line width, h text height)
Top Overlay:
  drawing of 26 lines, arcs and shapes, not listed
  text "NRST" at 9.912,40 h1 r270
  text "WKUP" at 9.912,34.1 h1 r270
  text "RX" at 6.6,13.4 h1 r270
  text "TX" at 6.6,11.8 h1 r270
  text "UART" at 6.612,10.3 h1 r270
  text "PWR" at 8.9,9 h1 r270
  text "LED1" at 11,9 h1 r270
  text "LED2" at 13,9 h1 r270
  text "GND" at 17.112,4.2 h1 r270
  text "EXT31" at 18.608,4.1 h0.7 r270
  text "EXT32" at 19.808,4.1 h0.7 r270
  text "EXT33" at 21.108,4.1 h0.7 r270
  text "EXT34" at 22.408,4.1 h0.7 r270
  text "EXT35" at 23.708,4.1 h0.7 r270
  text "EXT36" at 24.808,4.1 h0.7 r270
  text "EXT37" at 26.108,4.1 h0.7 r270
  text "EXT38" at 27.408,4.1 h0.7 r270
  text "EXT39" at 28.708,4.1 h0.7 r270
  text "EXT40" at 30.008,4.1 h0.7 r270
  text "EXT41" at 31.2,4.1 h0.7 r270
  text "EXT42" at 32.5,4.1 h0.7 r270
  text "EXT43" at 33.808,4.1 h0.7 r270
  text "EXT44" at 35.1,4.1 h0.7 r270
  text "EXT45" at 36.308,4.1 h0.7 r270
  text "EXT46" at 37.608,4.1 h0.7 r270
  text "EXT47" at 38.9,4.1 h0.7 r270
  text "EXT48" at 40.208,4.1 h0.7 r270
  text "EXT49" at 41.508,4.1 h0.7 r270
  text "EXT50" at 42.708,4.1 h0.7 r270
  text "EXT51" at 44.008,4.1 h0.7 r270
  text "EXT52" at 45.308,4.1 h0.7 r270
  text "EXT53" at 46.608,4.1 h0.7 r270
  text "EXT54" at 47.708,4.1 h0.7 r270
  text "EXT55" at 49.008,4.1 h0.7 r270
  text "EXT56" at 50.308,4.1 h0.7 r270
  text "EXT57" at 51.608,4.1 h0.7 r270
  text "EXT58" at 52.908,4.1 h0.7 r270
  text "EXT59" at 54.108,4.1 h0.7 r270
  text "EXT60" at 55.408,4.1 h0.7 r270
  text "EXT61" at 56.708,4.1 h0.7 r270
  text "EXT62" at 58.008,4.1 h0.7 r270
  text "EXT63" at 59.208,4.1 h0.7 r270
  text "EXT64" at 60.508,4.1 h0.7 r270
  text "EXT65" at 61.708,4.1 h0.7 r270
  text "EXT66" at 63.008,4.1 h0.7 r270
  text "EXT67" at 64.208,4.1 h0.7 r270
  text "EXT68" at 65.508,4.1 h0.7 r270
  text "3V3" at 15.812,3.8 h1 r270
Bottom Overlay:
  drawing of 30 lines, arcs and shapes, not listed
  text "GND" at 19.088,47.521 h1 r90
  text "GND" at 20.288,47.521 h1 r90
  text "EXT11" at 41.5,47.521 h0.7 r90
  text "EXT12" at 42.8,47.521 h0.7 r90
  text "TX" at 25.9,46.4 h1 r270
  text "RX" at 24.599,46.346 h1 r270
  text "EXT1" at 28.6,46.102 h0.7 r270
  text "5V0" at 17.312,46.014 h1 r270
  text "EXT0" at 27.308,46.031 h0.7 r270
  text "EXT2" at 29.9,46.032 h0.7 r270
  text "EXT3" at 31.108,46.027 h0.7 r270
  text "EXT4" at 32.4,46.014 h0.7 r270
  text "EXT5" at 33.708,46.019 h0.7 r270
  text "EXT6" at 34.908,46.022 h0.7 r270
  text "EXT7" at 36.2,46.028 h0.7 r270
  text "EXT8" at 37.508,46.028 h0.7 r270
  text "EXT9" at 38.708,46.029 h0.7 r270
  text "3V3" at 16.212,46.002 h1 r270
  text "EXT21" at 54,45.754 h0.7 r270
  text "EXT10" at 39.808,45.682 h0.7 r270
  text "EXT20" at 52.608,45.682 h0.7 r270
  text "EXT22" at 55.3,45.683 h0.7 r270
  text "EXT30" at 65.508,45.682 h0.7 r270
  text "EXT13" at 43.808,45.679 h0.7 r270
  text "EXT14" at 45.1,45.666 h0.7 r270
  text "EXT15" at 46.408,45.67 h0.7 r270
  text "EXT16" at 47.608,45.673 h0.7 r270
  text "EXT17" at 48.9,45.679 h0.7 r270
  text "EXT18" at 50.208,45.679 h0.7 r270
  text "EXT19" at 51.508,45.68 h0.7 r270
  text "EXT23" at 56.608,45.679 h0.7 r270
  text "EXT24" at 57.9,45.666 h0.7 r270
  text "EXT25" at 59.108,45.67 h0.7 r270
  text "EXT26" at 60.408,45.673 h0.7 r270
  text "EXT27" at 61.7,45.679 h0.7 r270
  text "EXT28" at 63.008,45.679 h0.7 r270
  text "EXT29" at 64.208,45.68 h0.7 r270
  text "DIO" at 22.112,44.433 h1 r270
  text "RST" at 20.912,44.217 h1 r270
  text "TCLK" at 23.261,43.559 h1 r270